# Altium PCB WX0.007.247PCB-4.1.PcbDoc (part 1 of 2)
Units mil, origin at the board's own origin, x right, y up, seen from the top; angles counter-clockwise.
Board outline 4488.2 x 1889.78 mil, 2 copper layers (Top Layer, Bottom Layer), stack 12.8 mil thick; 181 components, 142 nets, 623 pads, 518 vias.
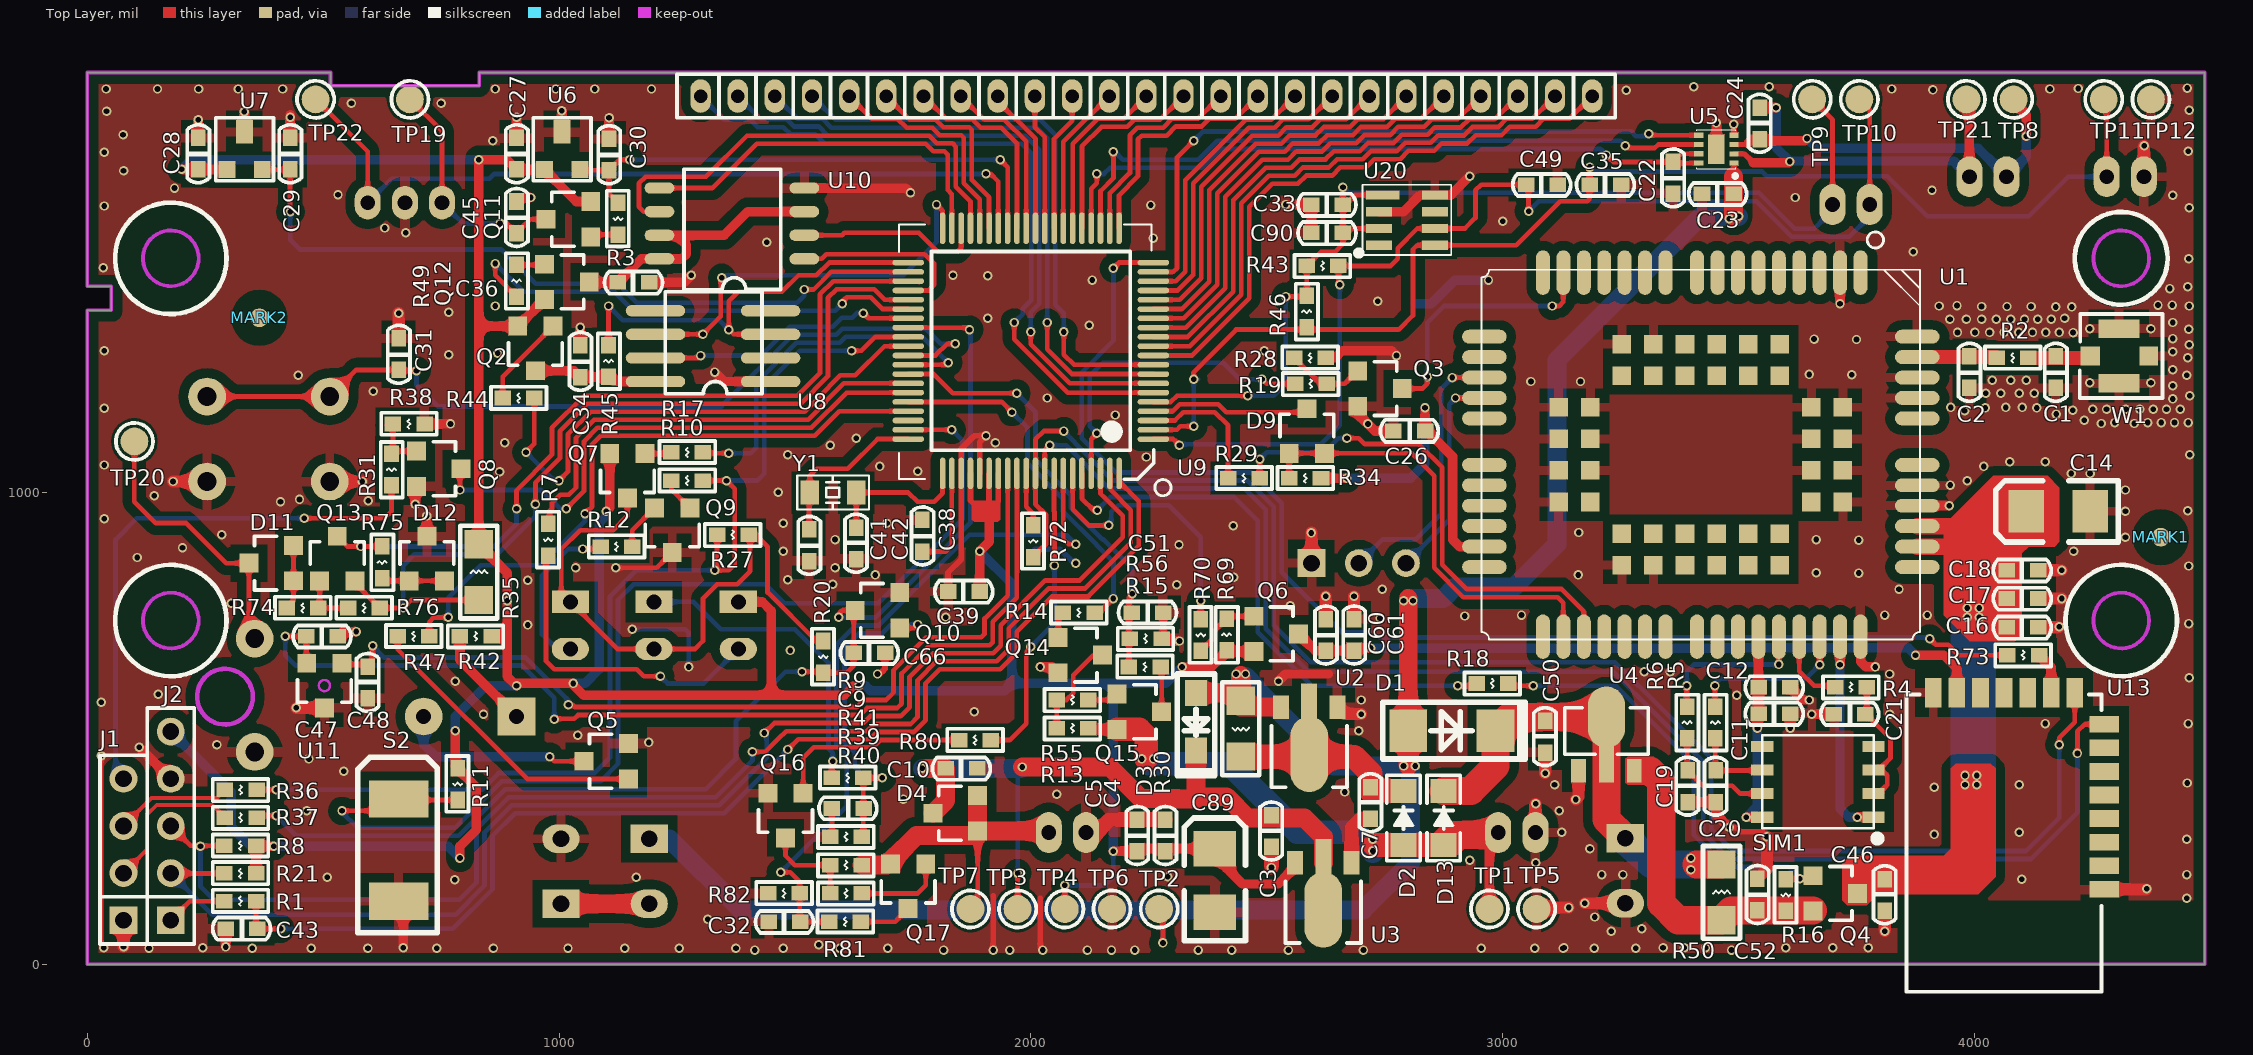
[diagram p0: Top Layer view]
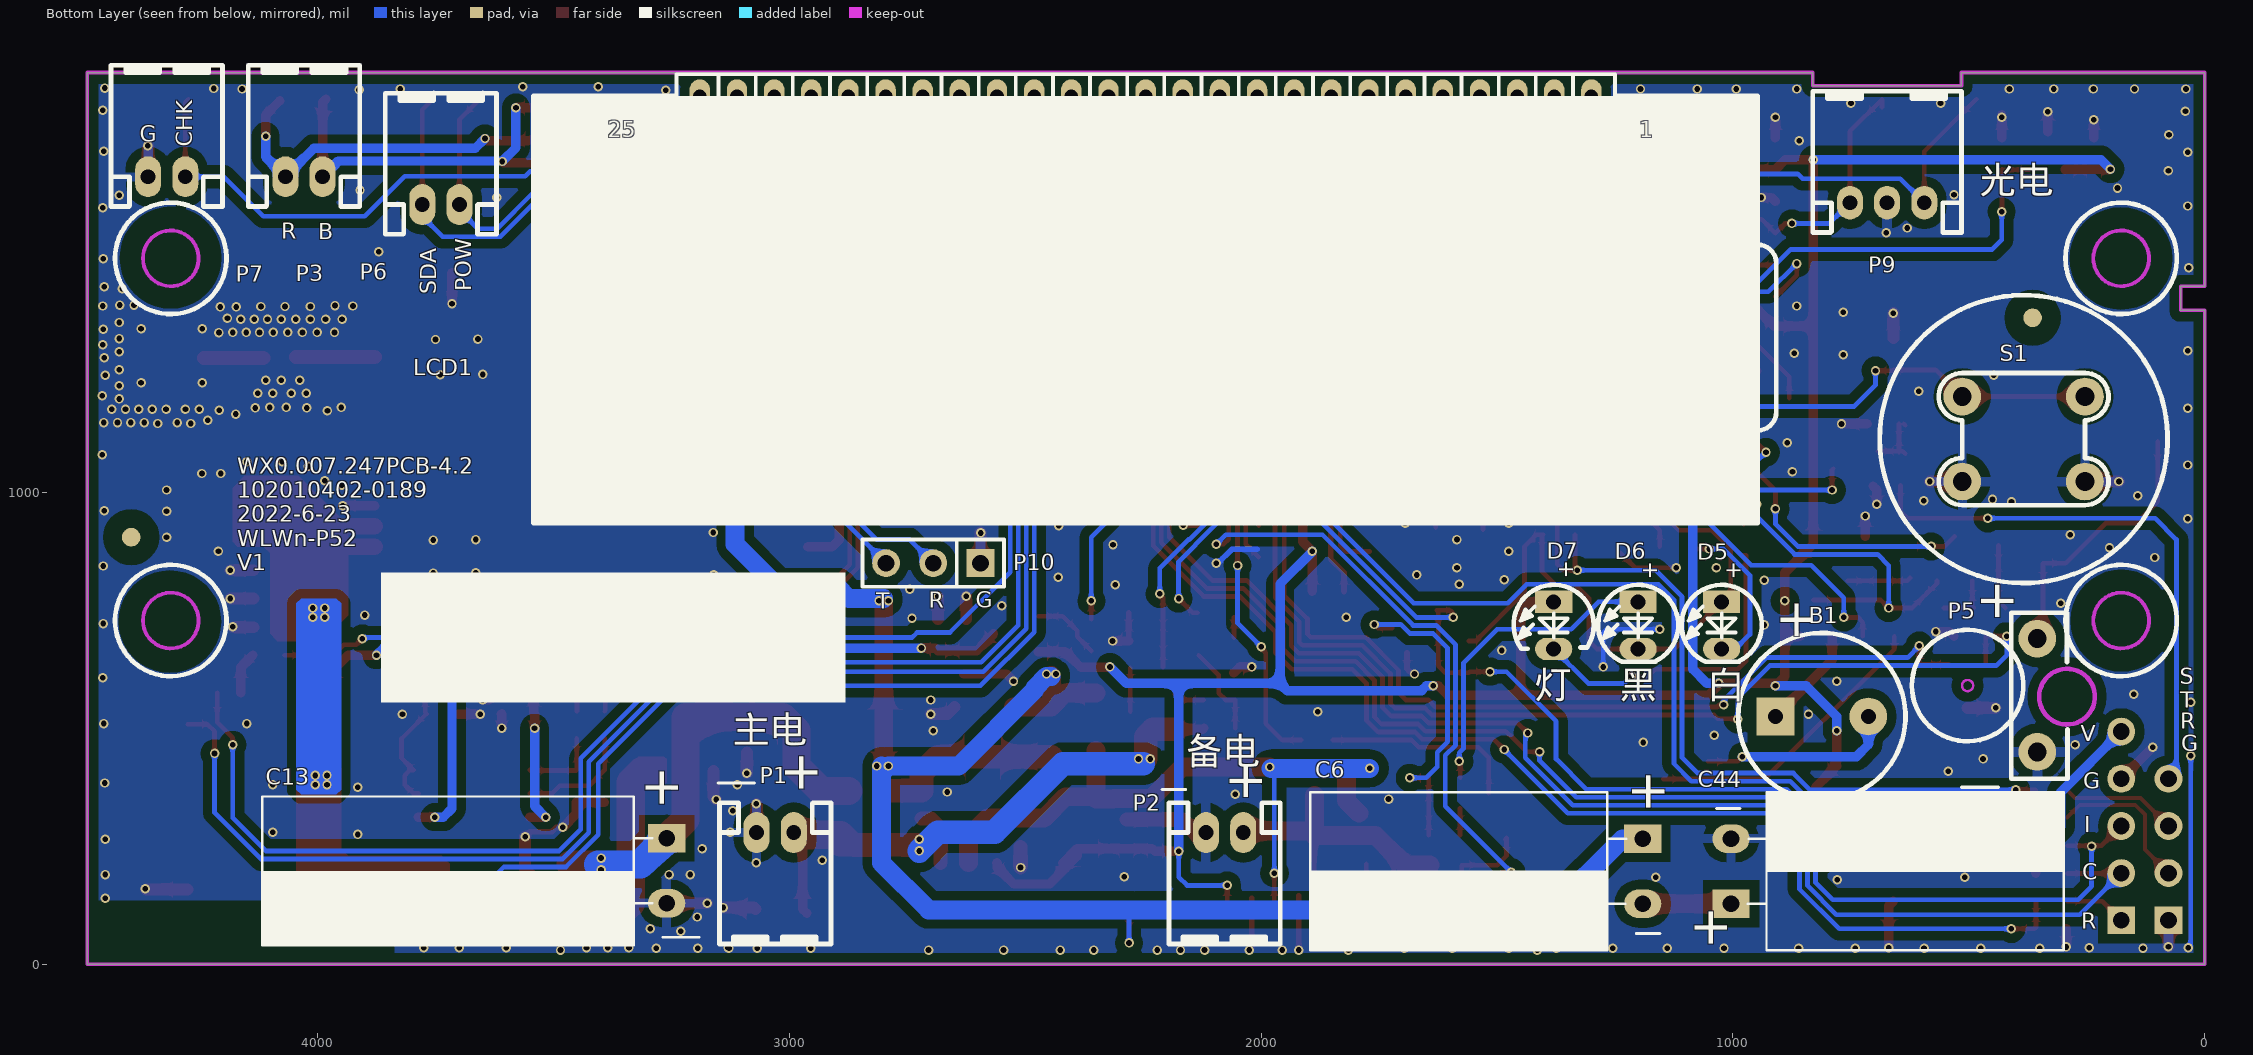
[diagram p1: Bottom Layer view, seen from below]

## Layer stack, top to bottom
Top Solder: solder mask 0.4, Solder Resist, Dk 3.5
Top Layer: signal copper 1.4
Dielectric 1: core 10, FR-4, Dk 4.2
Bottom Layer: signal copper 1.4
Bottom Solder: solder mask 0.4, Solder Resist, Dk 3.5

## Board outline
0,0 0,1385.83 51.18,1385.83 51.18,1437.01 51.17,1437.01 -0.01,1437.01 0.01,1437.01 0.01,1889.78 0,1889.78 515.77,1889.78 515.77,1862.05 830.73,1862.05 830.73,1889.78 4488.19,1889.78 4488.19,0

## Design rules (kind name [scope] priority, off if disabled: settings)
Clearance VIA-VIA [ISVIA vs ISVIA] p1: gap=20 ignorepadtopadclearanceinfootprint=FALSE except(0: Arc-Hole Track-Hole SMDPad-Hole THPad-Hole Via-Hole Fill-Hole Poly-Hole Region-Hole Text-Hole)
Clearance VIA-PAD [ISVIA vs ISPAD] p2: gap=15 ignorepadtopadclearanceinfootprint=FALSE except(0: Arc-Hole Track-Hole SMDPad-Hole THPad-Hole Via-Hole Fill-Hole Poly-Hole Region-Hole Text-Hole)
Clearance VIA-TRACK [ISVIA vs ISTRACK] p3: gap=15 ignorepadtopadclearanceinfootprint=FALSE except(0: Arc-Hole Track-Hole SMDPad-Hole THPad-Hole Via-Hole Fill-Hole Poly-Hole Region-Hole Text-Hole)
Clearance Polygon [InPolygon] p4: gap=20 ignorepadtopadclearanceinfootprint=FALSE except(0: Arc-Hole Track-Hole SMDPad-Hole THPad-Hole Via-Hole Fill-Hole Poly-Hole Region-Hole Text-Hole)
Clearance [All] p5: gap=7 ignorepadtopadclearanceinfootprint=FALSE except(0: Arc-Hole Track-Hole SMDPad-Hole THPad-Hole Via-Hole Fill-Hole Poly-Hole Region-Hole Text-Hole)
ComponentClearance [All] p1 off: gap=10 collisioncheckmode=3 verticalgap=10 showdistances=FALSE
FabricationTestPointUsage TestPointUsage [All] p1: valid=0 allowmultiple=FALSE
FabricationTestpoint Testpoint [(IsPad And (OnTopLayer Or OnBottomLayer))] p1: side=3 testpointundercomponent=TRUE minsize=40 maxsize=100 preferedsize=60 minholesize=0 maxholesize=40 preferedholesize=32 testpointgrid=1 allowsidetop=TRUE allowsidebottom=TRUE usegrid=TRUE gridtolerance=0.01
HoleSize [All] p1 off: absolutevalues=TRUE maxlimit=300 minlimit=0 maxpercent=80.000 minpercent=20.000
HoleToHoleClearance [All] p1 off: gap=10 allowstackedmicrovias=TRUE
LayerPairs [All] p1 off: enforce=TRUE
MinimumSolderMaskSliver [All] p1 off: minsoldermaskwidth=10
NetAntennae [All] p1 off: netantennaetolerance=0
PlaneConnect [All] p1: planeconnectstyle=Relief reliefexpansion=20 reliefentries=4 reliefconductorwidth=20 reliefairgap=10
PolygonConnect [isvia] p1: connectstyle=Direct reliefconductorwidth=15 reliefentries=4 polygonreliefangle="90 Angle" airgapwidth=10
PolygonConnect PolygonConnect_1 [All] p2: connectstyle=Relief reliefconductorwidth=20 reliefentries=4 polygonreliefangle="90 Angle" airgapwidth=20
RoutingVias [All] p1: holewidth=10 width=20 viastyle="Through Hole" minholewidth=5 minwidth=5 maxholewidth=50 maxwidth=100
SilkToBoardRegionClearance [All] p1 off:
SilkToSilkClearance [All] p1 off: silktosilkclearance=10
SilkToSolderMaskClearance [IsPad] p1 off: minsilkscreentomaskgap=10 clearancetoexposedcopper=TRUE
SolderMaskExpansion [All] p1: expansion=4
Width [All] p1: maxlimit=300 minlimit=8 preferedwidth=8
18 further rules are at their usual default settings.

## Classes and differential pairs
component class "yuanlitu 1 P52+压力检测": B1 C9 C27 C28 C29 C30 C31 C33 C35 C36 C38 C39 C41 C42 C43 C45 C47 C48 C49 C66 C90 D5 D6 D7 D11 D12 J1 J2 LCD1 MARK1 MARK2 P5 P6 P7 P9 Q5 Q7 Q8 Q9 Q10 Q11 Q12 Q13 R1 R3 R7 R8 R9 R10 R12 R17 R20 R21 R27 R31 R35 R36 R37 R38 R41 R42 R43 R46 R47 R49 R72 R73 R74 R75 R76 S1 TP9 TP10 TP11 TP12 TP19 TP20 TP22 U6 U7 U9 U10 U11 U20 Y1
component class "yuanlitu 2 P52+压力检测": C1 C2 C3 C4 C5 C6 C7 C10 C11 C12 C13 C14 C16 C17 C18 C19 C20 C21 C22 C23 C24 C26 C32 C34 C44 C46 C50 C51 C52 C60 C61 C89 D1 D2 D3 D4 D9 D13 P1 P2 P3 P10 Q2 Q3 Q4 Q6 Q14 Q15 Q16 Q17 R2 R4 R5 R6 R11 R13 R14 R15 R16 R18 R19 R28 R29 R30 R34 R39 R40 R44 R45 R50 R55 R56 R69 R70 R80 R81 R82 S2 SIM1 TP1 TP2 TP3 TP4 TP5 TP6 TP7 TP8 TP21 U1 U2 U3 U4 U5 U8 U13 W1

## Components (designator, comment, footprint, x,y, rotation, side; value= is the part's Value field where it differs from the comment)
B1 "HYT-0903" HYT-0903 910,525 r180 bottom locked
C1 "NC" CAP0603 4172,1221.78 r90 top
C2 "NC" CAP0603 3989.02,1221.78 r90 top
C3 "10uF/10V" CAP0603 2510,315 r270 top
C4 "10uF/10V" CAP0603 2285,240 r90 top
C5 "100nF/50V" CAP0603 2225,240 r90 top
C6 "1F/2.75V" CAPPC_350_800_1600R 1266.32,364.32 r90 bottom locked
C7 "100nF/50V" CAP0603 2720,375 r270 top
C9 "10pF/50V" CAP0603 1645,330 r180 top
C10 "100nF/50V" CAP0603 1820,415 r0 top
C11 "100nF/50V" CAP0603 3543.02,531.08 r0 top
C12 "33pF/50V" CAP0603 3543.02,587.08 r0 top
C13 "1000uF/16V" CAPPC_500_800_2000R 3260,198 r270 bottom locked
C14 "100uF/10V" CAT3528 4110,960 r0 top
C16 "100nF/50V" CAP0603 4068.5,714 r0 top
C17 "33pF/50V" CAP0603 4068.5,775 r0 top
C18 "10pF/50V" CAP0603 4068.5,835 r0 top
C19 "33pF/50V" CAP0603 3392.13,410.12 r270 top
C20 "33pF/50V" CAP0603 3451.88,410.12 r270 top
C21 "33pF/50V" CAP0603 3768.37,530.08 r180 top
C22 "100nF/50V" CAP0603 3361,1633.84 r90 top
C23 "100nF/50V" CAP0603 3423,1632.84 r0 top
C24 "100nF/50V" CAP0603 3545,1815 r270 top
C26 "1uF/16V" CAP0603 2835,1130 r180 top
C27 "1uF/16V" CAP0603 910,1685 r90 top
C28 "1uF/16V" CAP0603 235,1685 r90 top
C29 "1nF/50V" CAP0603 430,1685 r90 top
C30 "1nF/50V" CAP0603 1106,1683 r90 top
C31 "100nF/50V" CAP0603 660,1260 r90 top
C32 "10pF/50V" CAP0603 1445,90 r0 top
C33 "100nF/50V" CAP0603 2595,1610 r0 top
C34 "100nF/50V" CAP0603 1045,1245 r90 top
C35 "100nF/50V" CAP0603 3185,1652 r0 top
C36 "100nF/50V" CAP0603 1125,1445 r0 top
C38 "100nF/50V" CAP0603 1770,875 r90 top
C39 "100nF/50V" CAP0603 1825,790 r0 top
C41 "12pF/50V" CAP0603 1530,855 r90 top
C42 "12pF/50V" CAP0603 1630,925 r270 top
C43 "33pF/50V" CAP0603 360,75 r180 top
C44 "1F/2.75V" CAPPC_350_800_1600R 929,29.68 r270 bottom locked
C45 "1uF/16V" CAP0603 910,1550 r90 top
C46 "1uF/16V" CAP0603 3810,180 r270 top
C47 "1nF/50V" CAP0603 465,695 r0 top
C48 "1uF/16V" CAP0603 595,630 r270 top
C49 "33pF/50V" CAP0603 3050,1652 r0 top
C50 "100nF/50V" CAP0603 3090,515 r270 top
C51 "10pF/50V" CAP0603 2280,745 r180 top
C52 "1uF/16V" CAP0603 3540,115 r90 top
C60 "1uF/16V" CAP0603 2625,665 r90 top
C61 "10uF/10V" CAP0603 2685,665 r90 top
C66 "100pF/50V" CAP0603 1625,660 r0 top
C89 "100uF/10V" CAT3528 2390,245 r270 top
C90 "10uF/10V" CAP0603 2595,1550 r0 top
D1 "SS12" DO-214AC 2892.5,495 r0 top
D2 "DS36W" SOD-123FL#1 2790,250 r90 top
D3 "DS12W" SOD-123FL#2 2350,575 r270 top
D4 "BAT54CLT1" SOT-23#1 1840,320 r90 top
D5 "AT203" IR_254_532_300 1024,768 r180 bottom
D6 "AT403" IR_254_532_300 1201,768 r180 bottom
D7 "LED_T3R" LED2_300 1380,768 r180 bottom locked
D9 "BAT54CLT1" SOT-23#1 2585,1130 r0 top
D11 "BAT54CLT1" SOT-23#1 390,850 r90 top
D12 "BAT54CLT1" SOT-23#1 720,859.69 r0 top
D13 "DS36W" SOD-123FL#1 2875,250 r90 top
J1 "PIN254_1*4*WXHJ" PIN254_1*4*WXHJ 77,93 r90 top
J2 "PIN254_1*5*WXHJ" PIN254_1*5*WXHJ 177,93 r90 top
LCD1 "GVH26634A-HPP" LCD_GVH21861A-HPP 1300,1840 r180 bottom locked
MARK1 "MARK" MARK 4395,905 r90 top
MARK2 "MARK" MARK 365,1370 r90 top
P1 "PH200_1*2R" PH200_1*2R 3030,279 r180 bottom
P2 "PH200_1*2R" PH200_1*2R 2077.37,279 r180 bottom
P3 "PH200_1*2R" PH200_1*2R 4028.63,1669 r0 bottom
P5 "90 mm    WX100.060.LJ" WXHJ_Connect_01 355,450 r180 bottom
P6 "PH200_1*2R" PH200_1*2R 3738.63,1610 r0 bottom
P7 "PH200_1*2R" PH200_1*2R 4319.63,1669 r0 bottom locked
P9 "PH200_1*3R" PH200_1*3R 752,1614 r0 bottom locked
P10 "模块调试" PIN254_1*3*WXHJ 2795,850 r0 bottom
Q2 "PNPS-9012" SOT-23#1 950,1305 r180 top
Q3 "NPNS-9013" SOT-23#1 2740,1220 r270 top
Q4 "UT3401ZG" SOT-23#1 3705,150 r270 top
Q5 "NPNS-9013" SOT-23#1 1100,430 r90 top
Q6 "UT3401ZG" SOT-23#1 2520,700 r270 top
Q7 "PNPS-9012" SOT-23#1 1145,1035 r180 top
Q8 "NPNS-9013" SOT-23#1 745,1050 r270 top
Q9 "PNPS-9012" SOT-23#1 1240,920 r180 top
Q10 "NPNS-9013" SOT-23#1 1675,750 r90 top
Q11 "PNPS-9012" SOT-23#1 1020,1578.77 r90 top
Q12 "PNPS-9012" SOT-23#1 1016.69,1446.23 r270 top
Q13 "PNPS-9012" SOT-23#1 530,859.69 r0 top
Q14 "NPNS-9013" SOT-23#1 2105,655 r270 top
Q15 "PNPS-9012" SOT-23#1 2230,535 r270 top
Q16 "NPNS-9013" SOT-23#1 1480,315 r180 top
Q17 "PNPS-9012" SOT-23#1 1740,165 r180 top
R1 "100R 5%" RES0603 357.86,133.68 r180 top
R2 "0R 5%" RES0603 4114.17,1285 r180 top
R3 "3K 5%" RES0603 1125,1613.36 r270 top
R4 "22R 5%" RES0603 3705,587.08 r0 top
R5 "22R 5%" RES0603 3450.88,478.87 r90 top
R6 "22R 5%" RES0603 3391.13,478.87 r90 top
R7 "1K 5%" RES0603 977,933.01 r270 top
R8 "10K 5%" RES0603 357.86,251.04 r180 top
R9 "20K 5%" RES0603 1645,395 r180 top
R10 "3K 5%" RES0603 1305,1025 r180 top
R11 "1M 5%" RES0603 785,415 r270 top
R12 "100R 5%" RES0603 1155,885 r180 top
R13 "10K 5%" RES0603 2055,500 r0 top
R14 "3K 5%" RES0603 2135,745 r180 top
R15 "330K 5%" RES0603 2275,630 r180 top
R16 "2M 5%" RES0603 3600,180 r270 top
R17 "3K 5%" RES0603 1305,1085 r180 top
R18 "200K 5%" RES0603 2945,595 r0 top
R19 "3K 5%" RES0603 2560,1230 r0 top
R20 "20K 5%" RES0603 1560,685 r270 top
R21 "10K 5%" RES0603 357.86,192.36 r180 top
R27 "20K 5%" RES0603 1335,910 r0 top
R28 "1K 5%" RES0603 2625,1285 r180 top
R29 "1K 5%" RES0603 2485,1030 r180 top
R30 "0R 5%" RES1206 2445,440 r90 top
R31 "3K 5%" RES0603 645,1015 r90 top
R34 "20K 5%" RES0603 2615,1030 r180 top
R35 "0R 5%" RES1206 830,890 r270 top
R36 "1K 5%" RES0603 291.86,369.4 r0 top
R37 "1K 5%" RES0603 291.86,310.72 r0 top
R38 "1K 5%" RES0603 715,1145 r180 top
R39 "10K 5%" RES0603 1575,210 r0 top
R40 "10K 5%" RES0603 1575,150 r0 top
R41 "47K 5%" RES0603 1575,270 r0 top
R42 "51R 5%" RES0603 790,695 r0 top
R43 "5.1K 5%" RES0603 2585,1480 r0 top
R44 "3K 5%" RES0603 947.64,1200 r180 top
R45 "20K 5%" RES0603 1105,1245 r90 top
R46 "5.1K 5%" RES0603 2584.62,1350 r90 top
R47 "3K 5%" RES0603 725,695 r180 top
R49 "3K 5%" RES0603 910,1415 r90 top
R50 "0R 5%" RES1206 3463.87,211.13 r270 top
R55 "10K 5%" RES0603 2055,560 r0 top
R56 "220K 5%" RES0603 2210,690 r0 top
R69 "2M 5%" RES0603 2415,665 r90 top
R70 "200K 5%" RES0603 2360,731 r270 top
R72 "1K 5%" RES0603 2005,930 r270 top
R73 "1K 5%" RES0603 4070,655 r0 top
R74 "3K 5%" RES0603 490,755 r180 top
R75 "100K 5%" RES0603 625,818.44 r90 top
R76 "10K 5%" RES0603 620,755 r180 top
R80 "3K 5%" RES0603 1915,475 r180 top
R81 "330K 5%" RES0603 1640,90 r180 top
R82 "220K 5%" RES0603 1510,150 r180 top
S1 "SWT_4_600_600_430" SWT_4_600_600 384,1113 r0 bottom locked
S2 "SWS_2_520_300_300" SWS_2_520_300 660,350 r90 top
SIM1 "SIMIC" SIMIC 3550,485 r270 top
TP1 "TEST-PAD" TEST-PAD 2972,117 r0 top locked
TP2 "TEST-PAD" TEST-PAD 2272,117 r0 top locked
TP3 "TEST-PAD" TEST-PAD 1972,117 r0 top locked
TP4 "TEST-PAD" TEST-PAD 2072,117 r0 top locked
TP5 "TEST-PAD" TEST-PAD 3072,117 r0 top locked
TP6 "TEST-PAD" TEST-PAD 2172,117 r0 top locked
TP7 "TEST-PAD" TEST-PAD 1872,117 r0 top locked
TP8 "TEST-PAD" TEST-PAD 4083,1833 r0 top locked
TP9 "TEST-PAD" TEST-PAD 3656,1833 r0 top locked
TP10 "TEST-PAD" TEST-PAD 3756,1833 r90 top locked
TP11 "TEST-PAD" TEST-PAD 4274,1833 r90 top locked
TP12 "TEST-PAD" TEST-PAD 4374,1833 r0 top locked
TP19 "TEST-PAD" TEST-PAD 684,1833 r90 top
TP20 "TEST-PAD" TEST-PAD 100,1108 r90 top locked
TP21 "TEST-PAD" TEST-PAD 3983,1833 r90 top locked
TP22 "TEST-PAD" TEST-PAD 484,1833 r90 top locked
U1 "BC95B5JC-02-STD" BC95B5JB-02-STD 3420,1080 r270 top locked
U2 "S-1206B50-U3" SOT-89#1 2650,545 r180 top
U3 "S-1206B33-U3T1G" SOT-89#1 2680,215 r180 top
U4 "CE6232A33P" SOT-89#2 3220,445 r0 top
U5 "DRV8837DSGR" S-PWSON-N8 3453,1727.34 r180 top
U6 "S-5712ACDL1" SOT-23#2 1006,1719 r0 top locked
U7 "S-5712ACDL1" SOT-23#2 333,1719 r0 top locked
U8 "ESAM" SOP-8L-200MIL#1 1480,1235 r180 top
U9 "FM33LG0x8" LQFP80 2000,1300 r180 top locked
U10 "GD25VQ80CSIG" SOP-8L-200MIL#2 1520,1495 r180 top
U11 "S-5712ACDL1" SOT-23#1 502.76,590.55 r180 top locked
U13 "DB809" DB809 4275.32,508.62 r180 top
U20 "HP303B" LGA_8 2705,1650 r0 top
W1 "ANT-IPEX" ANT-IPEX 4245,1289 r270 top
Y1 "32.768kD" SMD-3215_2P 1630,999.65 r180 top

## Footprints (in the part's own frame and the unit in brackets; to place one, negate y for a bottom-side part, rotate by r counter-clockwise, add the part's x,y. Pads: shape width x height; smd on the part's side, far side on the other; paste and mask are expansions set on the pad)
ANT-IPEX [mm] "IPX天线座"
  rect 1x1.05 smd: 1(0,0)
  rect 1x2.2 smd: 2(-1.475,1.55) 2(1.475,1.55)
  rect 1x1 smd: 2(0,3.151)
  silkscreen extent -2.26,-0.56 2.26,3.9
BC95B5JB-02-STD [mm]
  oval 2.4x0.75 smd: 1(-9.8,8.6) 2(-9.8,7.5) 3(-9.8,6.4) 4(-9.8,5.3) 5(-9.8,4.2) 6(-9.8,3.1) 7(-9.8,2) 8(-9.8,0.9) 9(-9.8,-0.2) 10(-9.8,-1.9) 11(-9.8,-3) 12(-9.8,-4.1) 13(-9.8,-5.2) 14(-9.8,-6.3) 15(-9.8,-7.4) 16(-9.8,-8.5) 28(9.8,-8.5) 29(9.8,-7.4) 30(9.8,-6.3) 31(9.8,-5.2) 32(9.8,-4.1) 33(9.8,-3) 34(9.8,-1.9) 35(9.8,-0.2) 36(9.8,0.9) 37(9.8,2) 38(9.8,3.1) 39(9.8,4.2) 40(9.8,5.3) 41(9.8,6.4) 42(9.8,7.5) 43(9.8,8.6)
  oval 0.75x2.4 smd: 17(-6.35,-11.65) 18(-5.25,-11.65) 19(-4.15,-11.65) 20(-3.05,-11.65) 21(-1.95,-11.65) 22(0.55,-11.65) 23(1.65,-11.65) 24(2.75,-11.65) 25(3.85,-11.65) 26(4.95,-11.65) 27(6.05,-11.65) 44(6.05,11.65) 45(4.95,11.65) 46(3.85,11.65) 47(2.75,11.65) 48(1.65,11.65) 49(0.55,11.65) 50(-1.95,11.65) 51(-3.05,11.65) 52(-4.15,11.65) 53(-5.25,11.65) 54(-6.35,11.65)
  rect 1x1 smd: 55(-5.95,4.25) 56(-5.95,2.55) 57(-5.95,0.85) 58(-5.95,-0.85) 59(-5.95,-2.55) 60(-5.95,-4.25) 61(-2.55,-7.65) 62(-0.85,-7.65) 63(0.85,-7.65) 64(2.55,-7.65) 65(5.95,-4.25) 66(5.95,-2.55) 67(5.95,-0.85) 68(5.95,0.85) 69(5.95,2.55) 70(5.95,4.25) 71(2.55,7.65) 72(0.85,7.65) 73(-0.85,7.65) 74(-2.55,7.65) 75(-4.25,4.25) 76(-4.25,2.55) 77(-4.25,0.85) 78(-4.25,-0.85) 79(-4.25,-2.55) 80(-4.25,-4.25) 81(-2.55,-5.95) 82(-0.85,-5.95) 83(0.85,-5.95) 84(2.55,-5.95) 85(4.25,-4.25) 86(4.25,-2.55) 87(4.25,-0.85) 88(4.25,0.85) 89(4.25,2.55) 90(4.25,4.25) 91(2.55,5.95) 92(0.85,5.95) 93(-0.85,5.95) 94(-2.55,5.95)
  silkscreen extent -9.95,-11.8 9.95,11.8, body extent -10.03,-12.07 10.03,11.94, height 2.2
CAP0603 [mil]
  rect 35x31 smd: 1(-0.49,0) 2(66.51,0)
  silkscreen extent -29,-24 94,23, body extent 1,-15 72,15, height 20
CAPPC_350_800_1600R [mm]
  rect 1.524x2 hole 0.9: 1(-2.5,-1.905)
  oval 1.524x2 hole 0.9: 2(-6,-1.905)
  silkscreen extent -8.5,-1.02 0,16, body extent -8.21,-1.54 -0.21,15.96, height 7.99
CAPPC_500_800_2000R [mm]
  rect 1.524x2 hole 0.9: 1(-1.75,0)
  oval 1.524x2 hole 0.9: 2(1.75,0)
  silkscreen extent -4,-21.78 4,-0.76, body extent -3.97,-21.82 4.03,0.35, height 8
CAT3528 [mil]
  rect 75x90 smd: 1(0,0) 2(135,0)
  silkscreen extent -65,-65 195,65, body extent 0,-59 146,57, height 80
DB809 [mm]
  rect 1.6x0.9 smd: 1(0,8.89) 2(0,7.62) 3(0,6.35) 4(0,5.08) 5(0,3.81) 6(0,2.54) 7(0,1.27) 8(0,0)
  rect 0.9x1.6 smd: 9(1.59,-1.7) 10(2.86,-1.7) 11(4.13,-1.7) 12(5.4,-1.7) 13(6.67,-1.7) 14(7.94,-1.7) 15(9.21,-1.7)
  silkscreen extent 0.15,-1.6 10.65,14.4
DO-214AC [mil]
  rect 80x90.55 smd: 1(-92.5,0) 2(92.5,0)
  silkscreen extent -146,-60 156,60, body extent -91,-53 90,53, height 94
HYT-0903 [mil]
  rect 80x80 hole 32: 1(0,0)
  round 80 hole 32: 2(196.85,0)
  silkscreen extent -79,-177 275,177, body extent -78,-176 276,176, height 217
IR_254_532_300 [mm]
  rect 2x1.2 hole 0.813: 1(0,0)
  oval 2x1.2 hole 0.813: 2(0,-2.54)
  silkscreen extent -2.16,-3.23 2.16,0.91, body extent -1.65,-2.91 1.64,0.39, height 5.51
LCD_GVH21861A-HPP [mm]
  oval 1.1x1.8 hole 0.732: 1(0,0) 2(-2,0) 3(-4,0) 4(-6,0) 5(-8,0) 6(-10,0) 7(-12,0) 8(-14,0) 9(-16,0) 10(-18,0) 11(-20,0) 12(-22,0) 13(-24,0) 14(-26,0) 15(-28,0) 16(-30,0) 17(-32,0) 18(-34,0) 19(-36,0) 20(-38,0) 21(-40,0) 22(-42,0) 23(-44,0) 24(-46,0) 25(-48,0)
  silkscreen extent -56.95,-23 9.95,1.17, body extent -57.15,-23.24 9.14,0, height 5.2
LED2_300 [mm]
  rect 2x1.2 hole 0.813: 1(0,0)
  oval 2x1.2 hole 0.813: 2(0,-2.54)
  silkscreen extent -2.16,-2.53 2.16,0.91, body extent -1.65,-2.91 1.64,0.39, height 5.51
LGA_8 [mm]
  rect 1.8x0.5 smd: 1(1.039,-0.504)
  rect 1.4x0.5 smd: 2(0.839,-1.404) 3(0.839,-2.304) 4(0.839,-3.204) 5(3.839,-3.204) 6(3.839,-2.304) 7(3.839,-1.404) 8(3.839,-0.504)
  silkscreen extent -0.4,-3.78 4.72,0.05
LQFP80 [mm]
  oval 1.7x0.3 smd: 1(-6.6,4.75) 2(-6.6,4.25) 3(-6.6,3.75) 4(-6.6,3.25) 5(-6.6,2.75) 6(-6.6,2.25) 7(-6.6,1.75) 8(-6.6,1.25) 9(-6.6,0.75) 10(-6.6,0.25) 11(-6.6,-0.25) 12(-6.6,-0.75) 13(-6.6,-1.25) 14(-6.6,-1.75) 15(-6.6,-2.25) 16(-6.6,-2.75) 17(-6.6,-3.25) 18(-6.6,-3.75) 19(-6.6,-4.25) 20(-6.6,-4.75) 41(6.6,-4.75) 42(6.6,-4.25) 43(6.6,-3.75) 44(6.6,-3.25) 45(6.6,-2.75) 46(6.6,-2.25) 47(6.6,-1.75) 48(6.6,-1.25) 49(6.6,-0.75) 50(6.6,-0.25) 51(6.6,0.25) 52(6.6,0.75) 53(6.6,1.25) 54(6.6,1.75) 55(6.6,2.25) 56(6.6,2.75) 57(6.6,3.25) 58(6.6,3.75) 59(6.6,4.25) 60(6.6,4.75)
  oval 0.3x1.7 smd: 21(-4.75,-6.6) 22(-4.25,-6.6) 23(-3.75,-6.6) 24(-3.25,-6.6) 25(-2.75,-6.6) 26(-2.25,-6.6) 27(-1.75,-6.6) 28(-1.25,-6.6) 29(-0.75,-6.6) 30(-0.25,-6.6) 31(0.25,-6.6) 32(0.75,-6.6) 33(1.25,-6.6) 34(1.75,-6.6) 35(2.25,-6.6) 36(2.75,-6.6) 37(3.25,-6.6) 38(3.75,-6.6) 39(4.25,-6.6) 40(4.75,-6.6) 61(4.75,6.6) 62(4.25,6.6) 63(3.75,6.6) 64(3.25,6.6) 65(2.75,6.6) 66(2.25,6.6) 67(1.75,6.6) 68(1.25,6.6) 69(0.75,6.6) 70(0.25,6.6) 71(-0.25,6.6) 72(-0.75,6.6) 73(-1.25,6.6) 74(-1.75,6.6) 75(-2.25,6.6) 76(-2.75,6.6) 77(-3.25,6.6) 78(-3.75,6.6) 79(-4.25,6.6) 80(-4.75,6.6)
  silkscreen extent -6.62,-6.81 7.1,6.91, body extent -5.33,-5.33 5.36,5.33, height 2
MARK [mm]
  round 1 smd: 0(0,0)
  round 1 smd far side: 1(0,0)
  Top Layer pour cut-out: -1.5,0 -1.386,-0.574 -1.061,-1.061 -0.574,-1.386 0,-1.5 0,-1.5 0.574,-1.386 1.061,-1.061 1.386,-0.574 1.5,0 1.5,0 1.386,0.574 1.061,1.061 0.574,1.386 0,1.5 0,1.5 -0.574,1.386 -1.061,1.061 -1.386,0.574 -1.5,0
  Bottom Layer pour cut-out: -1.5,0 -1.386,-0.574 -1.061,-1.061 -0.574,-1.386 0,-1.5 0,-1.5 0.574,-1.386 1.061,-1.061 1.386,-0.574 1.5,0 1.5,0 1.386,0.574 1.061,1.061 0.574,1.386 0,1.5 0,1.5 -0.574,1.386 -1.061,1.061 -1.386,0.574 -1.5,0
PH200_1*2R [mm]
  oval 1.4x2.2 hole 0.8: 1(-1,0) 2(1,0)
  silkscreen extent -3,-6 3,1.6, body extent -3.18,-6.22 3.18,1.78, height 5
PH200_1*3R [mm]
  oval 1.4x1.8 hole 0.8: 1(-4,0) 2(-2,0) 3(0,0)
  silkscreen extent -6,-6 2,1.6, body extent -5.99,-5.97 2.01,1.57, height 4
PIN254_1*3*WXHJ [mm]
  rect 1.5x1.5 hole 0.9: 1(-5.08,0)
  round 1.5 hole 0.9: 2(-2.54,0) 3(0,0)
  silkscreen extent -6.35,-1.27 1.27,1.27
PIN254_1*4*WXHJ [mm] "Connector; Header; 4 Position"
  rect 1.5x1.5 hole 0.9: 1(0,0)
  round 1.5 hole 0.9: 2(2.54,0) 3(5.08,0) 4(7.62,0)
  silkscreen extent -1.27,-1.27 8.89,1.27, body extent -1.3,-1.3 8.86,1.24, height 8.54
PIN254_1*5*WXHJ [mm]
  rect 1.5x1.5 hole 0.9: 1(0,0)
  round 1.5 hole 0.9: 2(2.54,0) 3(5.08,0) 4(7.62,0) 5(10.16,0)
  silkscreen extent -1.27,-1.27 11.43,1.27
RES0603 [mil]
  rect 35x31 smd: 1(0,0) 2(67,0)
  silkscreen extent -26,-24 92,23, body extent 0,-15 71,15, height 12
RES1206 [mil]
  rect 60x60 smd: 1(0,0) 2(118.11,0)
  silkscreen extent -39,-39 157,39, body extent -28,-29 150,29, height 20
S-PWSON-N8 [mm]
  rect 0.5x0.28 smd: 1(-0.95,0.75) 2(-0.95,0.25) 3(-0.95,-0.25) 4(-0.95,-0.75) 5(0.95,-0.75) 6(0.95,-0.25) 7(0.95,0.25) 8(0.95,0.75)
  rect 0.9x1.6 smd: 9(0,0)
  silkscreen extent -1.09,-1.05 1.04,1.52, body extent -0.98,-1 1.02,1, height 0.77
SIMIC [mm]
  rect 0.6x1.2 smd: 1(4.405,6) 2(3.135,6) 3(1.865,6) 4(0.595,6) 5(0.595,0) 6(1.865,0) 7(3.135,0) 8(4.405,0)
  silkscreen extent 0,0 5.63,6.29, body extent 0,0 4.95,5.97, height 0.6
SMD-3215_2P [mm]
  rect 1x1.3 smd: 1(0,0) 2(2.5,0)
  silkscreen extent -0.69,-0.91 3.19,0.91, body extent -0.3,-0.99 2.9,0.99, height 0.7
SOD-123FL#1 [mm]
  rect 1.3x1.4 smd: 1(0.074,0) 2(2.974,0)
  silkscreen extent -0.78,-0.9 3.82,0.9, body extent -0.28,-0.82 3.32,0.82, height 0.95
SOD-123FL#2 [mm]
  rect 1.4x1.2 smd: 1(0,0) 2(3.1,0)
  silkscreen extent -1.02,-1.02 4.44,1.02, body extent -0.2,-0.81 3.4,0.84, height 0.95
SOP-8L-200MIL#1 [mm]
  oval 3.2x0.61 smd: 1(0.8,0) 2(0.8,-1.27) 3(0.8,-2.54) 4(0.8,-3.81) 5(7,-3.81) 6(7,-2.54) 7(7,-1.27) 8(7,0)
  silkscreen extent 1.27,-4.83 6.48,0.66, body extent 0.89,-4.35 6.89,0.55, height 1.7
SOP-8L-200MIL#2 [mm]
  oval 1.6x0.61 smd: 1(0,0) 2(0,-1.27) 3(0,-2.54) 4(0,-3.81) 5(7.8,-3.81) 6(7.8,-2.54) 7(7.8,-1.27) 8(7.8,0)
  silkscreen extent 1.27,-4.83 6.48,1.68, body extent 0.89,-4.35 6.89,0.55, height 1.7
SOT-23#1 [mil]
  rect 40x40 smd: 1(-37.4,-47.24) 2(37.4,-47.24) 3(0,47.24)
  silkscreen extent -57,-12 57,35, body extent -57,-55 57,55, height 47
SOT-23#2 [mil]
  rect 36x36 smd: 1(-37,-35) 2(38,-35)
  rect 36x50 smd: 3(0,45)
  silkscreen extent -60,-59 62,75, body extent -44,-35 44,45, height 39
SOT-89#1 [mil]
  rect 34x50 smd: 1(0,0) 3(120,0)
  oval 80x160 smd: 2(60,100)
  rect 34x100 smd: 2(60,0)
  silkscreen extent -20,40 140,170
SOT-89#2 [mil]
  rect 31.5x50 smd: 1(-59.06,-35.43) 3(59.06,-35.43)
  rect 31.5x100 smd: 2(0,-10.43)
  oval 78.74x129.92 smd: 2(0,78.74)
  silkscreen extent -89,0 89,98, body extent -89,-40 89,115, height 55
SWS_2_520_300 [mm]
  rect 2x3.2 smd: 1(0,0) 2(-5.5,0)
  silkscreen extent -7.2,-2.08 2.25,2.2
SWT_4_600_600 [mil]
  round 80 hole 40: 1(-130,-90) 1(130,-90) 2(-130,90) 2(130,90)
  silkscreen extent -180,-140 180,140, body extent -130,-90 130,90, height 157
TEST-PAD [mm]
  round 1.5 smd: 1(0,0)
  silkscreen extent -1,-1 1,1
WXHJ_Connect_01 [mil]
  round 80 hole 40: 1(0,240) 2(0,0)
  Keep-Out Layer circle w10: c62.91,116.99 r59.05
  silkscreen extent -55,-57 64,295

## Part data
B1: library part 1010602-0007, "直插,直径9mm,高5.5mm,5 V,2 V,30 mA,兴化市华宇电子有限公司,HYT-0903"
C1 C2 C41 C42: library part 101020103-0005, "12P,50 V,±5%,0603,国巨,CC0603JRNPO9BN12"
C3 C4 C61 C90: library part 101020103-0026, "106pF,10 V,±10%,0603,村田,GRM188R61A106KE47D"
C5 C7 C10 C11 C16 C22 C23 C24 C31 C33 C34 C35 C36 C38 C39 C50: library part 101020103-0021, "104pF,50 V,±10%,0603,国巨,CC0603KRX7R9BB104"
C6 C44: library part 1010202-0015, "1F,2.75 V,-20%~+20%,8mm*16mm,红宝石,2.7 DMC 1 M MY4 8X16"
C9 C18 C32 C51: library part 101020103-0014, "10pF,50 V,±5%,0603,X7R,国巨,CC0603JRNPO9BN100"
C12 C17 C19 C20 C21 C43 C49: library part 101020103-0027, "33pF,50 V,±10%,0603,国巨,CC0603KRNPO9BN33"
C13: library part 1010203-0029, "1000uF,16 V,±20%,8*20mm,Rubycon,16ZLH1000M"
C14: library part 1010205-0006, "100UF,10 V,±20%,3528,AVX / KEMET,TAJB107M010RNJ"
C26 C27 C28 C45 C46 C48 C52 C60: library part 101020103-0003, "105pF,16 V,±10%,0603,国巨,CC0603KRX7R7BB105"
C29 C30 C47: library part 101020103-0022, "102pF,50 V,±10%,0603,国巨,CC0603KRX7R9BB102"
C66: library part 101020103-0010, "101pf,50 V,±5%,0603,国巨,CC0603JRNP09BN101"
C89: library part 101020102-0012, "226P,10 V,±20%,0805,村田电子有限公司,GRM21BR61A226ME51L"
D1: library part 101040101-0009, "SS12,DO-214AC,1 A,0.55 V,20 V,昶鑫,SS12"
D2: library part 101040101-0055, "DS36W,SOD123-FL,3 A,42 V,60 V,浙江领晨科技有限公司,DS36W"
D3: library part 101040101-0048, "DS12W,SOD-123FL,1 A,0.55 V,20 V,领晨科技,DS12W"
D4 D9 D11 D12: library part 101040101-0038, "BAT54CLT1，SOT23-3,SOT23-3,0.2 A,0.8 V,30 V,安森美,BAT54CLT1"
D5: library part 101040102-0010, "DIP-2,φ3,插件,红光,上海品观电子有限公司/可得,AT203"
D6: library part 101040102-0011, "DIP-2,φ3,插件,红光,上海品观电子有限公司/可得,AT403-PD-01"
D7: library part 101040102-0001, "圆形插件,3mm 圆形,插件,红光,湖北匡通电子有限公司,3BB4HC"
D13: library part 101040101-0048, "DS36W,SOD123-FL,3 A,42 V,60 V,浙江领晨科技有限公司,DS36W"
J1: library part AD_WXHJ_PinHeader_01, "1*4 ，Φ1.0 ，2.54mm，直脚,无需焊接器件"
J2: library part AD_WXHJ_PinHeader_02, "1*5 ，Φ1.0 ，2.54mm，直脚,无需焊接器件"
LCD1: library part 1010801-0055, "GVH26634A-HPP-WG,65mm*23mm,针脚,段码,21,液晶,全透,70 ℃,-20 ℃,安徽金视界光电科技有限公司,GVH26634A-HPP-WG"
MARK1 MARK2: library part AD_WXHJ_MARK_01, "MARK点"
P1 P2 P3 P6 P7: library part 1010902-0105, "2.0-2AW,直插弯座，2PIN，脚间距2mm，带防翘起,公头,单排,2.0-2AW;直插弯座，2PIN,脚间距2mm，带防翘起"
P5: library part AD_WXHJ_Connect_01, "电源连接线"
P9: library part 1010902-0104, "2.0-3AW,3PIN，2mm脚间距,公头,单排,2.0-3AW；3PIN，脚间距2mm直插弯座带防翘起"
P10: library part AD_WXHJ_PinHeader_04, "1*3 ，Φ1.0 ，2.54mm，直脚,无需焊接器件"
Q2 Q7 Q9 Q11 Q12 Q13 Q15 Q17: library part 101040201-0001, "9012,PNP,SOT-23,JCET;长电,S9012"
Q3 Q5 Q8 Q10 Q14 Q16: library part 101040201-0002, "9013,NPN,SOT-23,长电,S9013"
Q4 Q6: library part 101040201-0013, "UT3401ZG,P-MOS,SOT-23,UTC,UT3401ZG"
R1 R12: library part 101010103-0022, "100R,±5%,1/10W,0603,国巨,RC0603JR-07100RL"
R2: library part 101010103-0001, "国巨,±5%,0603,,155 ℃,-55 ℃,RC0603J2-070RL,无铅,200 ppm/℃,1/10W,,0R"
R3 R10 R14 R17 R19 R31 R47 R49 R74 R80: library part 101010103-0006, "国巨,±5%,0603,,155 ℃,-55 ℃,RC0603JR-073KL,无铅,100 ppm/℃,1/10W,,3K"
R4 R5 R6: library part 101010103-0009, "国巨,±5%,0603,,155 ℃,-55 ℃,RC0603JR-0722RL,无铅,200 ppm/℃,1/10W,,22欧"
R7 R28 R29 R36 R37 R38 R72 R73: library part 101010103-0008, "1K,±5%,1/10W,0603,国巨,RC0603JR-071KL"
R8 R13 R21 R39 R40 R44 R55 R76: library part 101010103-0003, "国巨,±5%,0603,,155 ℃,-55 ℃,RC0603JR-0710KL,无铅,200 ppm/℃,1/10W,,10K"
R9 R20 R27 R34 R45: library part 101010103-0004, "国巨,±5%,0603,,155 ℃,-55 ℃,RC0603JR-0720KL,无铅,200 ppm/℃,1/10W,,20K"
R11: library part 101010103-0002, "国巨,±5%,0603,,155 ℃,-55 ℃,RC0603JR-071ML,无铅,200 ppm/℃,1/10W,,1M"
R15 R81: library part 101010103-0066, "330K,±5%,1/10W,0603,国巨,RC0603JR-07330KL"
R16: library part 101010103-0025, "国巨,±5%,0603,,155 ℃,-55 ℃,RC0603JR-072ML,含铅,100 ppm/℃,1/10W,,2M"
R18: library part 101010103-0034, "200K,±5%,1/10W,0603,国巨,RC0603JR-07200KL"
R30 R35 R50: library part 101010101-0013, "0Ω,±5%,1/4W,1206,国巨,RC1206JR-070RL"
R41: library part 101010103-0012, "47K,±5%,1/10W,0603,国巨,RC0603JR-0747KL"
R42: library part 101010103-0037, "国巨,±5%,0603,,155 ℃,-55 ℃,RC0603JR-0751RL,无铅,100 ppm/℃,1/10W,,51欧"
R43 R46: library part 101010103-0015, "国巨,±5%,0603,,155 ℃,55 ℃,RC0603JR-075.1KL,无铅,200 ppm/℃,1/10W,,5.1k"
R56 R82: library part 101010103-0044, "220K,±5%,1/10W,0603,国巨,RC0603JR-07220KL"
R69 R70: library part 101010103-0003, "10K±5%,1/10W,0603"
R75: library part 101010103-0005, "国巨,±5%,0603,,155 ℃,-55 ℃,RC0603JR-07100KL,无铅,100 ppm/℃,1/10W,,100K"
S1: library part 1011001-0027, "TS-1102,机械轻触,6*6*4.3直插,6*6*4.3直插,乐清市羽欧电子"
S2: library part 1011001-0041, "CSX-SEN-660B,垂直30°开关转换,3*5.2mm,360°任意方位倾斜检测,杭州航特科技有限公司"
SIM1: library part AD_XN_SIMIC_01, "SIMIC虚拟器件"
TP1 TP2 TP3 TP4 TP5 TP6 TP7 TP8 TP9 TP10 TP11 TP12 TP19 TP20 TP21 TP22: library part AD_WXHJ_TEST-PAD_01, "单面焊盘测试点"
U1: library part 1011402-0141, "BC95-B5,23.6mm*19.9mm*2.2mm,BC95B5JC-02-STD,LCC贴片封装,上海移远通信技术股份"
U2: library part 1010503-0013, "S-1206B50-U3,S-1206B50-U3,SOT89-3,6.5 V,1.7 V,0.2 V,5 V,250mA@VIN≧VOUT(S)＋1.0 V﹐1.5 V≦VOUT(S),1 uA,精工电子"
U3: library part 1010503-0002, "S-1206B33-U3T1G,S-1206B33-U3T1G,SOT89-3,6.5 V,1.7 V,0.15 V,3.3 V,250mA@VIN≧VOUT(S)＋1.0 V﹐1.5 V≦VOUT(S),1 uA,精工电子"
U4: library part 1010503-0031, "CE6232A36P,CE6232A36P,SOT89-3,8 V,1.8 V,0.11 V,3.6 V,600mA,0.8 uA,南京芯力微电子有限公司"
U5: library part 101050101-0060, "DRV8837DSGR,S-PWSON-N8,TI,DRV8837DSGR"
U6 U7 U11: library part 1010504-0002, "S-5712ACDL1,SOT23-3,3.5 V,1.6 V,2 uA,精工电子,S-5712ACDL1"
U8: library part AD_XN_ESAM_01, "ESAM虚拟器件"
U10: library part 101050101-0165, "GD25VQ80CSIG,SOP8 208mil,北京兆易创新科技股份有限公司,GD25VQ80CSIG"
U13: library part 1011402-0194, "北高智蓝牙模块DB809"
W1: library part 1010902-0053, "IPEX，配GPRS天线转接线"
Y1: library part 1010601-0009

## Via types
v1: diameter 20, hole 12, Top Layer to Bottom Layer, tented both sides, 518 vias

## Nets (pads, with @x,y where several pads share a name; then routed paths per layer and width w, separated by ;. In a path a pad name is that pad's centre, name@x,y a point inside that pad or via, vN(x,y) a via of type N, cw(c..) or ccw(c..) an arc to the next point about the centre after c; other vN are vias at no path point)
3.3V: C4.1 C5.1 C27.1 C28.1 C39.2 C89.1 D7.1 J2.5 Q2.2 Q6.2 Q7.2 Q11.2 Q12.2 R8.1 R11.1 R21.1 R35.1 R42.2 R69.1 TP4.1 U3.3 U6.1 U7.1 U9.64 U9.66 U9.67 | length 7905
  Top Layer w10: TP4.1@2072,117 v1(2072,167)
  Top Layer w12: U9.64@1872.05,1040.16 1872.05,982.95 1890,965 ; 1911.42,955.44 U9.66@1911.42,1040.16 ; 1920,970 1931.1,981.1 U9.67@1931.1,1040.16
  Top Layer w20: v1@200.49,1684.51 C28.1@235,1684.51 295.49,1684.51 U7.1@296,1684 ; R21.1@357.86,192.36 R8.1@357.86,251.04 358.9,250 v1(395.49,250) ; R11.1@780,420 785,425 780,430 v1(780,495) ; R11.1@785,415 825,375 825,285 790,250 v1(790,225) ; 830,1352.24 Q2.2@912.6,1352.24 912.86,1352.24 Q12.2@969.45,1408.83 ; R42.2@857,695 890,695 ; v1(910,590) v1@905,595 ; C27.1@910,1684 U6.1@969,1684 1036.83,1616.17 Q11.2@1067.24,1616.17 ; C27.1@910,1684.51 889.51,1705 v1(830,1705) R35.1@830,890 890,830 v1(890,770) 890,695 ; v1(1100,960) 1107.6,967.6 Q7.2@1107.6,1082.24 ; D7.1@1380,768 1430.89,768 1450,748.89 1450,570 ; v1(1635,590) 1624.5,590 1604.5,570 1450,570 ; C39.2@1891.51,790 v1(1891.51,875) 1911.51,895 1911.51,955.34 ; v1(2174.51,239.51) C5.1@2225,239.51 ; C5.1@2230.49,245 C89.1@2390,245 ; v1(2320.49,630) 2320.99,629.5 2382.54,629.5 2415.64,662.6 Q6.2@2472.76,662.6 ; C89.1@2421.01,213.99 C89.1@2390,245 ; 890,695 890,610 v1@905,595 ; v1@905,595 v1(1030,595) 1030,592 1052,570 1450,570 ; C89.1@2390,245 2390,228.68 2448.68,170 2524.5,170 2558.99,204.49 U3.3@2558.99,213.99 ; U3.3@2558.99,213.99 2560,213.99 U3.3@2560,215 U3.3@2558.99,213.99
  Bottom Layer w10: v1(2072,167) 2157,167 2174.51,184.51 v1(2174.51,239.51)
  Bottom Layer w20: J2.5@177,493 305,365 305,291.72 346.72,250 v1(395.49,250) 765,250 v1(790,225) ; v1(200,1685) 220,1705 v1(830,1705) ; v1(780,495) 780,525 845,590 v1(910,590) ; v1(1030,595) 1055,595 1085,625 1085,935.5 1100,950.5 v1(1100,960) ; v1(1635,590) 1650,590 1660,580 1945,580 1960,595 ; v1(1891.51,875) 1960,806.51 1960,595 ; v1@2175,240 2175,595 ; v1(2320.49,630) 2285.49,595 2175,595 ; 1960,595 2175,595
3.6V: C3.1 C10.1 D3.2 D4.3 TP3.1 U3.2 | length 1499.9
  Top Layer w10: TP3.1@1972,117 v1(1972,193)
  Top Layer w40: 1780,415 C10.1@1819.51,415 1819.51,346.75 D4.3@1792.76,320 ; v1(1982.05,417.95) 2167.05,417.95 2233.99,351.01 2311.68,351.01 2312.78,349.92 2350,349.92 ; D3.2@2350,452.95 2350,354.92 2414.92,354.92 2460,309.83 2580.17,309.83 2620,270 U3.2@2620,215
  Bottom Layer w10: v1(1972,193) 1972,407.91
  Bottom Layer w40: v1(1770,415) v1@1979.09,415
5V: C6.1 C23.2 D1.1 D3.1 R30.2 TP2.1 U2.3 U5.1 | length 4547.9
  Top Layer w10: TP2.1@2258,117 TP2.1@2272,117 ; v1(2280,45) TP2.1@2280,109 ; C23.2@3490.4,1633.73 U5.1@3490.4,1697.82
  Top Layer w40: D3.1@2350,575 2415,575 R30.2@2445,545 ; 2445,612.17 R30.2@2445,545 ; U2.3@2525,545 2501.24,545 R30.2@2445,545 ; 2800,420 D1.1@2800,495 2800,775 ; 3489.51,1585.49 C23.2@3489.51,1632.84 3489.51,1669.11
  Bottom Layer w10: 2265,115 2272,122 2272,115 ; v1(2280,45) 2280,114
  Bottom Layer w40: C6.1@1191.32,265.9 1234.1,265.9 1385,115 2265,115 ; 2272,115 2705,115 2805,215 2805,405 ; 2445,610 2455,610 2479.88,585.12 2479.88,581.36 2641.24,420 v1(2790,420) 2805,405 ; 2800,775 2873.64,775 2898.64,800 3025,800 3115,890 3115,1280 3420,1585 v1(3500,1585) ; v1@2805,420 2805,405
  other v1: 2815,420 2435,615 2455,615 2790,770 2810,770 3480,1580
119: Q13.3 R75.2 U9.43 | length 1694.2
  Top Layer w10: Q13.3@530,906.93 551.49,885.44 v1(580,885.44) R75.2@625,885.44 ; v1(910,965) 910,1004.54 985,1079.54 985,1136.82 1053.18,1205 1505,1205 1553,1253 1553,1419.47 1581.17,1447.64 1762,1447.64 U9.43@1763.78,1445.86
  Bottom Layer w10: v1(580,885.44) 862.36,885.44 910,933.08 v1(910,965)
119_PWR: Q13.2 R35.2 R76.1 U9.45 | length 1881.2
  Top Layer w10: Q13.2@567.4,812.44 567.4,807.6 R76.1@620,755 v1(670,755) 686.89,771.89 R35.2@830,771.89 ; v1(950,975) 950,1020.49 1002,1072.49 1002,1129.78 1060.22,1188 1512.04,1188 1570,1245.96 1570,1412.43 1588.21,1430.64 1667.63,1430.64 1690,1408.27 U9.45@1740.16,1408.27
  Bottom Layer w10: v1(670,755) 670,845 693.44,868.44 869.4,868.44 950,949.04 v1(950,975)
ADC_CTL: R14.1 U9.56 | length 765.3
  Top Layer w10: U9.56@1740.16,1191.73 1938.27,1191.73 v1(1960,1170) ; R14.1@2135,745 2145,745 v1(2175,775)
  Bottom Layer w10: v1(1960,1170) 1993,1137 1993,1062 2068,987 2068,960.53 2140,888.53 2140,887.49 2175,852.49 v1(2175,775)
B: C24.2 P3.2 TP8.1 U5.3 | length 791.3
  Top Layer w10: U5.3@3490.41,1737.18 3512.82,1737.18
  Top Layer w20: 3520,1740 3528.49,1748.49 C24.2@3545,1748.49 ; C24.2@3554.13,1745 3640,1745 v1(3645,1750) ; TP8.1@4080,1830 4110,1800 v1(4110,1755)
  Bottom Layer w20: v1(3645,1750) 3665.69,1729.31 4007.72,1729.31 P3.2@4068,1669 ; P3.2@4068,1669 4110,1711 v1(4110,1755)
BLE_INTP5: R72.1 U9.70 | length 116.3
  Top Layer w10: U9.70@1990.16,1040.16 1990.16,969.84 2005,955 R72.1@2005,930
BUZZ: R47.1 U9.57 | length 1341.1
  Top Layer w10: R47.1@725,695 725,725 735,735 v1(765,735) ; v1(1055,955) 1070,970 1070,1101.62 1088.38,1120 1542.12,1120 1594.17,1172.05 U9.57@1740.16,1172.05
  Bottom Layer w10: v1(765,735) 765,776.44 834.28,845.72 961.68,845.72 1055,939.04 v1(1055,955)
CAP_CHK: C47.1 U9.69 U11.2 | length 2207.7
  Top Layer w10: v1(420,695) C47.1@464.51,695 U11.2@464.51,638.64 ; v1(990,519) 991,520 1032.43,520 1040.43,528 1637.79,528 1652.79,543 1716.88,543 1725.92,552.04 1725.92,616.12 1785.79,676 1912.96,676 1919,682.04 1919,725.58 1970,776.58 1970,830 1970.47,830.47 U9.69@1970.47,1040.16
  Bottom Layer w10: v1(420,695) 420,655 442,633 922,633 990,565 v1(990,519)
CAP_CTL: C48.1 U9.68 U11.1 | length 1907.8
  Top Layer w10: U11.1@542.46,635.49 600,635.49 605,640.49 v1(605,675) ; v1(1020,550) 1029.04,550 1034.04,545 1630.75,545 1645.75,560 1693.46,560 1708.92,575.46 1708.92,623.17 1778.75,693 1895,693 1902,700 1902,732.62 1950.79,781.4 U9.68@1950.79,1040.16
  Bottom Layer w10: v1(605,675) 630,650 929.04,650 1020,559.04 v1(1020,550)
CLOSE: U5.5 U9.19 | length 1419.8
  Top Layer w10: U9.19@2259.84,1467.32 2302.32,1467.32 2310,1475 2310,1710 v1(2345,1745) ; v1@3313.13,1756.87 U5.5@3415.6,1756.87
  Bottom Layer w10: v1(2345,1745) 2365,1765 3272.43,1765 3282.43,1755 3305,1755 v1(3310,1760)
COM0: LCD1.1 U9.6 | length 1501.9
  Top Layer w10: v1(1965,1360) 1965,1325 2078.58,1211.42 U9.6@2259.84,1211.42
  Bottom Layer w10: LCD1.1@1300,1840 1350.15,1789.85 1404.85,1789.85 1420.71,1773.99 1475.41,1773.99 1490.83,1758.57 1543.35,1758.57 1562.92,1739 1980.94,1739 2001,1718.94 2001,1407.04 1983,1389.04 1983,1378 v1(1965,1360)
COM1: LCD1.2 U9.7 | length 1400.1
  Top Layer w10: v1(2000,1340) 2000,1314.04 2082.94,1231.1 U9.7@2259.84,1231.1
  Bottom Layer w10: LCD1.2@1378.74,1840 1427.75,1790.99 1482.45,1790.99 1497.87,1775.57 1550.39,1775.57 1569.96,1756 1987.98,1756 2018,1725.98 2018,1400 2000,1382 v1(2000,1340)
COM2: LCD1.3 U9.8 | length 1308.8
  Top Layer w10: v1(2035,1360) 2035,1303.08 2087.3,1250.79 U9.8@2259.84,1250.79
  Bottom Layer w10: LCD1.3@1457.48,1840 1504.91,1792.57 1557.43,1792.57 1577,1773 2012.96,1773 2035,1750.96 v1(2035,1360)
COM3: LCD1.4 U9.9 | length 1221.9
  Top Layer w10: v1(2070,1340) 2070,1292.12 2091.65,1270.47 U9.9@2259.84,1270.47
  Bottom Layer w10: LCD1.4@1536.22,1840 1586.22,1790 2020,1790 2052,1758 2052,1398 2070,1380 v1(2070,1340)
ESAM_CLK: U8.6 U9.40 | length 858.8
  Top Layer w10: U8.6@1204.41,1335 v1(1305,1335) 1343,1373 1343,1453 v1(1345,1455) ; v1(1800,1610) 1812.99,1597.01 U9.40@1812.99,1559.84
  Bottom Layer w10: v1(1345,1455) 1350,1460 1730,1460 1800,1530 v1(1800,1610)
ESAM_POW: R44.1 U9.50 | length 1122.5
  Top Layer w10: v1(930,1085) 947.64,1102.64 R44.1@947.64,1200 ; v1(1000,1025) 1019,1044 1019,1122.74 1067.26,1171 1521,1171 1547.98,1197.98 1547.98,1199.9 1596.19,1248.1 1628.1,1248.1 1689.84,1309.84 U9.50@1740.16,1309.84
  Bottom Layer w10: v1(930,1085) 990,1025 v1(1000,1025)
ESAM_RST: U8.7 U9.47 | length 572.6
  Top Layer w10: U8.7@1204.41,1285 v1@1295,1285 ; v1(1645,1380) 1656.1,1368.9 U9.47@1740.16,1368.9
  Bottom Layer w10: v1(1300,1290) 1427.88,1290 1488.88,1351 1580,1351 1599,1370 1621,1370 1631,1380 v1(1645,1380)
ESAM_SDA: R45.2 U8.3 U9.41 | length 925.5
  Top Layer w10: R45.2@1105,1312 v1(1105,1395) ; U8.3@1448.5,1335 1370,1335 v1(1360,1345) 1360,1405 1380,1425 1472.57,1425 1507.57,1460 1545.45,1460 1572.46,1487.01 U9.41@1740.16,1487.01
  Bottom Layer w10: v1(1105,1395) 1135,1365 1340,1365 v1(1360,1345)
FLASH_CLK: U9.37 U10.6 | length 1006.2
  Top Layer w10: U10.6@1212.91,1595 1180,1595 1169.42,1605.58 1169.42,1654.94 1183.48,1669 1311.43,1669 1398.43,1756 1784.32,1756 1800.34,1739.98 1834.02,1739.98 1841,1733 1841,1648.04 1872.05,1616.99 U9.37@1872.05,1559.84
FLASH_CS: U9.44 U10.1 | length 392.3
  Top Layer w10: U10.1@1520,1495 1556.41,1495 1566.32,1504.91 1775.13,1504.91 1795,1485.05 1795,1439.81 1783.14,1427.95 U9.44@1740.16,1427.95
FLASH_CTL: R49.1 U9.46 | length 1030
  Top Layer w10: v1(865,1485) 865,1460 R49.1@910,1415 ; v1(1600,1400) 1600,1403.64 1610,1413.64 1660.59,1413.64 1685,1389.23 1685,1388.58 U9.46@1740.16,1388.58
  Bottom Layer w10: v1(865,1485) 925,1425 1117.43,1425 1157.43,1385 1585,1385 v1(1600,1400)
FLASH_MISO: U9.38 U10.2 | length 396.2
  Top Layer w10: U10.2@1520,1545 1600,1545 1605,1550 1762.82,1550 1802.82,1510 1844.37,1510 1852.36,1517.99 U9.38@1852.36,1559.84
FLASH_MOSI: U9.39 U10.5 | length 819.3
  Top Layer w10: U10.5@1212.91,1645 1325,1645 1419,1739 1777.27,1739 1793.3,1722.98 1817.02,1722.98 1824,1716 1824,1641 1832.68,1632.32 U9.39@1832.68,1559.84
GD_PWR: C45.1 P9.3 Q11.3 TP19.1 | length 523.8
  Top Layer w10: TP19.1@684,1816 TP19.1@684,1833 752,1765 P9.3@752,1614 ; v1(875,1570) 889.51,1570 C45.1@910,1549.51 939.26,1578.77 Q11.3@972.76,1578.77
  Bottom Layer w10: P9.3@752,1614 796,1570 v1(875,1570)